# KiCad board CM4ClusterHat.kicad_pcb (continued)
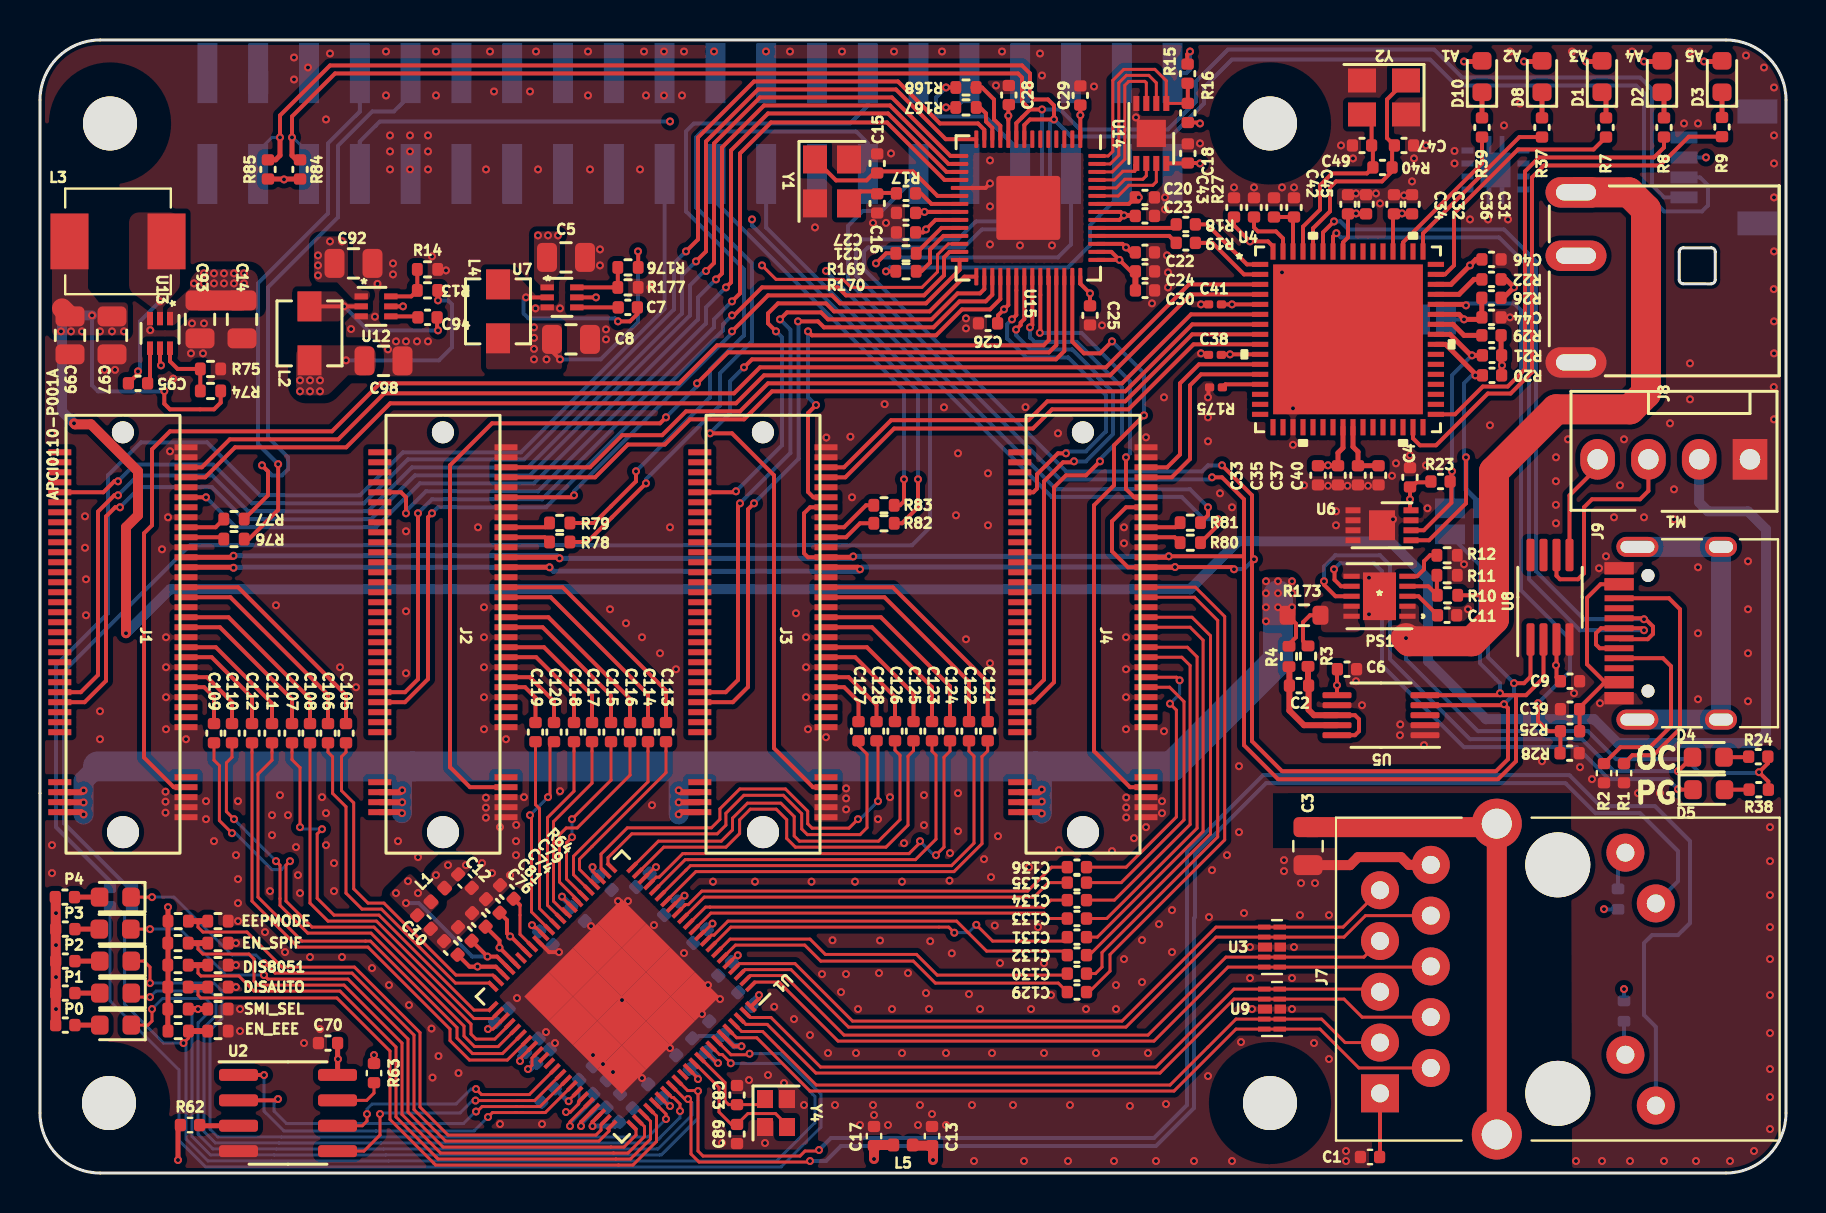
[diagram p0: board, top side]
## Routing (per net, layer and track width the routed paths; a pad name or vN(x,y) marks a point on that pad's centre or on a via; arc(x,y) is an arc through that point) (continued)
ETH2_P2-: length 5.6
  Top w0.2: C118.1 26.7,23.91 24.81,25.8 J2.43
ETH2_P3+: length 2.9
  Top w0.2: C119.1 24.77,23.78 24.26,24.3 J2.49
ETH2_P3-: length 4
  Top w0.2: J2.47 24.49,24.8 25.7,23.59 C120.1
ETH3_P0+: length 12
  Top w0.2: C121.1 47.38,24.56 42.64,29.3 J3.29
ETH3_P0-: length 10.9
  Top w0.2: J3.31 42.23,28.8 46.45,24.58 C122.1
ETH3_P1+: length 8.3
  Top w0.2: J3.37 41.6,27.3 44.6,24.3 C123.1
ETH3_P1-: length 9.4
  Top w0.2: J3.35 42.05,27.8 45.5,24.34 C124.1
ETH3_P2+: length 6.7
  Top w0.2: J3.41 41.34,26.3 43.67,23.97 C125.1
ETH3_P2-: length 5.5
  Top w0.2: J3.43 40.76,25.8 42.75,23.81 C126.1
ETH3_P3+: length 2.9
  Top w0.2: C127.1 40.92,23.58 40.21,24.3 J3.49
ETH3_P3-: length 3.9
  Top w0.2: J3.47 40.43,24.8 41.83,23.41 C128.1
ETH4_P0+: length 26.3
  Top w0.15: J4.29 57.77,29.3 59.23,27.83 59.23,16.66 53.5,10.93 53.5,10.1 52.45,9.05 C129.1
ETH4_P0-: length 24.7
  Top w0.15: C130.1 52.77,9.97 53.1,10.3 53.1,11.03 58.89,16.81 58.89,27.64 57.73,28.8 J4.31
ETH4_P1+: length 20.7
  Top w0.15: J4.37 57.51,27.3 58.15,26.65 58.15,17.09 52.86,11.8 C131.1
ETH4_P1-: length 22.3
  Top w0.15: 52.38,10.95 C132.1 52.46,10.9 58.52,16.96 58.52,26.88 57.6,27.8 J4.35
ETH4_P2+: length 18.7
  Top w0.15: J4.41 57.37,26.3 57.86,25.81 57.86,17.25 53.33,12.73 C133.1
ETH4_P2-: length 17.1
  Top w0.15: C134.1 53.72,13.65 57.51,17.44 57.51,25.38 57.09,25.8 J4.43
ETH4_P3+: length 14.3
  Top w0.15: C135.1 54.06,14.52 57.2,17.66 57.2,23.58 56.48,24.3 J4.49
ETH4_P3-: length 14.4
  Top w0.15: C136.1 54.31,15.3 56.82,17.81 56.82,23.16 v1(56.5,23.47) ; v1(56.98,24.64) 56.83,24.8 J4.47
  Bottom w0.15: v1(56.5,23.47) 56.98,23.95 v1(56.98,24.64)
ISENSE_0: length 68.6
  Top w0.2: J1.69 6.69,19.3 5.2,20.79 5.2,32 5.6,32.4 5.6,36.2 6.5,37.1 14.6,37.1 17,39.5 31.95,39.5 33.85,41.4 50.18,41.4 50.44,41.66 50.44,44.81 U15.38
ISENSE_1: length 54.6
  Top w0.2: v1(31.3,37.8) 31,37.5 22.6,37.5 20.5,35.4 20.5,20.3 21.5,19.3 J2.69 ; U15.39 50.82,41.42 50.45,41.05 34.4,41.05 v1(32.85,39.5)
  Bottom w0.2: v1(31.3,37.8) 32.85,39.35 v1(32.85,39.5)
ISENSE_2: length 45.2
  Top w0.2: U15.40 51.22,41.12 50.8,40.7 35.6,40.7 v1(35.2,40.3) ; v1(33.5,37) 34.6,37 36.7,34.9 36.7,21.25 38.65,19.3 J3.69
  Bottom w0.2: v1(35.2,40.3) 34.5,39.6 34.5,38 v1(33.5,37)
ISENSE_3: length 31.3
  Top w0.2: v1(55.2,37.9) 53.7,36.4 53.7,34.4 52.7,33.4 52.7,21.1 54.5,19.3 J4.69 ; U15.41 51.62,41.58 52.2,41 53,41 v1(53.6,41.6)
  Bottom w0.2: v1(55.2,37.9) 55.2,40 v1(53.6,41.6)
ISENSE_SYS_N: length 99.5
  Top w0.2: 62.55,26.45 R4.2 62.45,26.45 62.8,26.8 62.8,27.47 R173.1 ; U12.5 v1(18.15,43.35) ; v1(6.05,40.4) 6,40.45 U13.5 ; U7.5 v1(27.8,43.8)
  Top w0.3: J2.70 18.02,19.05 v1(18.11,19.14) ; J4.72 50.06,18.55 v1(50.09,18.58) ; v1(2.18,19.13) 2.09,19.05 J1.70 ; J3.74 32.05,18.05 v1(31.93,17.94) ; J4.74 50.02,18.05 v1(50.09,17.98) ; J1.72 2.16,18.55 v1(2.18,18.53) ; v1(2.18,17.94) 2.06,18.05 J1.74 ; J2.72 18.11,18.55 v1(18.11,18.55) ; v1(31.93,18.54) 31.95,18.55 J3.72 ; J4.70 49.96,19.05 v1(50.09,19.18) ; J2.74 18.05,18.05 v1(18.1,18) ; J3.70 32.02,19.05 v1(31.93,19.14)
  Top w1: C93.1 C14.1
  In2.Cu w0.2: v1(6.05,40.4) 6.3,40.4 6.8,40.9 6.8,42.7 7.7,43.6 v1(7.7,44.5)
  Bottom w1: v1(2.18,17.94) 2.18,19.62 2.9,20.34 ; 49.76,20.34 50.09,20.01 v1(50.09,19.18) v1(50.09,17.98) ; v1(18.1,18) 18.1,19.8 18.64,20.34 ; 31.93,20.06 v1(31.93,17.94)
  Bottom w1.5: 2.9,20.34 56.59,20.34 61.9,25.65 61.9,28.9
  vias: v1(8.2,45) v1(8.2,44.5) v1(8.7,45) v1(8.7,44.5) v1(9.2,45) v1(9.2,44.5) v1(9.7,45) v1(9.7,44.5) v1(10.2,45) v1(10.2,44.5) v1(13.9,45.9) v1(13.9,45.4) v1(13.9,44.9) v1(14.5,46.6) v1(15.1,46.6) v1(24.9,46.9) v1(25.4,46.9) v1(25.9,46.9) v1(61.3,29.6) v1(61.3,29) v1(61.3,28.3) v1(61.3,27.6) v1(61.9,29.6) v1(61.9,29) v1(61.9,28.3) v1(62.6,29.6) v1(62.6,29) v1(62.6,28.3)
ISENSE_SYS_P: length 2.3
  Top w0.2: R3.2 63.15,26.62 63.15,27.55 63.5,27.9 R173.2
LED_A1_N: length 7.4
  Top w0.2: R39.1 72.1,50.5 68.15,46.55 U4.51
LED_A2_N: length 8.9
  Top w0.2: U4.49 69.15,47 73.97,51.82 R37.1
LED_A3_N: length 12.9
  Top w0.2: U4.47 70.25,44.95 70.7,45.4 70.7,48 73.9,51.2 77.68,51.2 R7.1
LED_A4_N: length 23.3
  Top w0.2: R8.1 81.2,51.3 80.7,50.8 74.95,50.8 74.25,50.1 74.25,40.2 73.39,39.34 72.14,39.34 70.75,37.95 U4.33
LED_A5_N: length 28.3
  Top w0.2: R9.1 82.44,51.84 81,50.4 75.2,50.4 74.6,49.8 74.6,40.06 73.53,38.99 72.39,38.99 69.8,36.4 69,36.4 68.65,36.75 U4.31
MDC: length 79.7
  Bottom w0.2: J5.23 36.31,47.29 44.5,39.1 44.5,32.3 43.6,31.4 7.5,31.4 1.2,25.1 1.2,17.49 4.41,14.28 R166.1
MDIO: length 63
  Bottom w0.2: R174.1 3.5,14.6 0.8,17.3 0.8,25.4 3.4,28 3.4,34.9 5.05,36.55 8.35,36.55 11,33.9 16,33.9 18.15,36.05 24.05,36.05 31.23,43.23 J5.19
P0_LED0: length 121.3
  Top w0.15: 31.78,4.73 32.38,4.13 32.87,4.13 v1(32.9,4.1) 32.9,1.1 33.15,0.85 38,0.85 38.25,1.1 38.9,1.1 v1(38.95,1.15)
  Top w0.3: R58.2 R59.1
  Bottom w0.15: v1(32.9,4.1) 32.9,2.74 31.06,0.91 30.98,0.91 17.3,0.9 17.3,0.9 11.7,0.9 11.7,0.9 8.52,0.9 7.6,1.83 7.6,8 7.8,8.2 v1(7.9,8.2)
  Bottom w0.2: J7.L4 80.79,7.31 80.2,7.9 80.2,11.5 80.6,11.9 81.9,11.9 82.5,12.5 82.5,16.6 80.75,18.35 78.02,18.35 76.48,19.9 61.15,19.9 57.35,16.1 57.35,3.4 55.7,1.75 39.55,1.75 v1(38.95,1.15)
P0_LED1: length 111.7
  Top w0.15: D19.1 5.4,7.4 5.6,7.6 v1(5.6,8.2) ; v1(38.5,0.6) 38.45,0.55 32.95,0.55 32.55,0.95 32.55,3.55 v1(32.4,3.7) 32.24,3.7 31.49,4.45
  Bottom w0.15: v1(5.6,8.2) 6.13,8.73 8.27,8.73 8.5,8.5 8.5,8.11 7.9,7.51 7.9,1.95 8.65,1.2 11.82,1.2 11.83,1.2 17.17,1.2 17.18,1.2 30.86,1.2 30.86,1.21 30.9,1.21 32.6,2.9 32.6,3.5 v1(32.4,3.7)
  Bottom w0.2: J7.L2 81.9,14.59 81.9,16.1 80,18 77.77,18 76.27,19.5 61.3,19.5 57.75,15.95 57.75,12.8 57.7,12.75 57.7,3.26 55.79,1.35 40.05,1.35 39.3,0.6 v1(38.5,0.6) 38.5,0.7
P1_LED1: length 37.9
  Top w0.15: 31.21,4.16 31.6,3.77 31.68,3.77 32,3.45 v1(32,3.1) ; D18.1 4.77,8.8 v1(5.5,8.8)
  Bottom w0.15: v1(32,3.1) 32,2.77 31.01,1.78 30.73,1.5 17.05,1.5 17.05,1.5 11.95,1.5 11.95,1.5 8.77,1.5 8.2,2.08 8.2,7.29 8.8,7.89 8.8,8.8 8.5,9.1 5.8,9.1 v1(5.5,8.8)
P2_LED1: length 37.3
  Top w0.15: 30.65,3.6 31.3,2.95 v1(31.3,2.7) ; D17.1 5.2,10.6 5.5,10.3 v1(5.5,9.5)
  Bottom w0.15: v1(5.5,9.5) 8.7,9.5 9.1,9.1 9.1,7.72 8.5,7.12 8.5,2.2 8.89,1.8 12.07,1.8 12.08,1.8 16.92,1.8 16.93,1.8 30.4,1.8 v1(31.3,2.7)
P3_LED1: length 32.8
  Top w0.15: D16.1 v1(5.5,12.2) ; v1(11.2,9.9) 11.4,9.7 15.4,9.7 18.4,6.7 18.4,3.05 20.15,1.3 29.2,1.3 29.8,1.9 29.8,2.18 29.51,2.47
  Bottom w0.15: v1(11.2,9.9) 9.3,9.9 7,12.2 v1(5.5,12.2)
P4_LED1: length 31.7
  Top w0.15: 28.6,2.4 28.45,2.25 28.45,2.1 27.95,1.6 20.28,1.6 18.7,3.18 18.7,6.9 15.6,10 11.75,10 11.25,10.5 v1(11.2,10.5) ; D15.1 v1(5.6,13.8)
  Bottom w0.15: v1(5.6,13.8) 6.7,13.8 9.6,10.9 10.8,10.9 v1(11.2,10.5)
PICO_RST: length 24.6
  Top w0.15: U15.26 45.42,46.47 44.87,45.93 44.87,45.07 44.1,44.3 40.55,44.3 40.15,44.7 36.8,44.7 v1(36.1,45.4)
  In2.Cu w0.2: v1(33.7,56.1) 33.9,55.9 33.9,47.5 36,45.4 v1(36.1,45.4)
  Bottom w0.15: J5.22 33.77,56.03 v1(33.7,56.1)
RST1: length 62.1
  Top w0.2: J1.10 3.16,34.05 3.72,34.6 v1(3.9,34.6) ; U15.13 47.22,52.18 46.9,52.5 45,52.5 42.9,54.6 35.7,54.6 32.9,51.8 32.9,46.7 v1(32.3,46.1)
  Bottom w0.2: v1(32.3,46.1) 31.7,45.5 31.7,43.2 24.2,35.7 18.4,35.7 16.2,33.5 10.6,33.5 8.66,35.44 4.73,35.44 v1(3.9,34.6)
RST2: length 43.8
  Top w0.2: 45.98,50.08 45.33,50.08 42.4,53 36.4,53 34.55,51.15 34.55,44.55 v1(34.3,44.3) ; J2.10 18.05,34.05 18.3,33.8 v1(18.3,33)
  Bottom w0.2: v1(18.3,33) 18.3,33.1 19.3,34.1 24.9,34.1 33.3,42.5 33.3,43.3 v1(34.3,44.3)
RST3: length 23.5
  Top w0.2: J3.10 34.75,34.05 v1(34.8,34.1) ; v1(36.8,42.1) 36.4,42.5 36.4,43 36.9,43.5 39.3,43.5 39.7,43.1 44.49,43.1 46.22,44.84 U15.29
  Bottom w0.2: v1(34.8,34.1) 37.1,36.4 37.1,41.8 v1(36.8,42.1)
RST4: length 17.2
  Top w0.2: v1(51.3,36) 50.9,36 49.85,34.95 49.85,34.23 49.67,34.05 J4.10 ; U15.34 48.82,42.92 v1(48.6,42.7)
  Bottom w0.2: v1(51.3,36) 51.4,36.1 52.3,36.1 53.3,37.1 53.3,38.9 51.4,40.8 49.3,40.8 48.35,41.75 48.35,42.45 v1(48.6,42.7)
RUN1: length 69.3
  Top w0.2: v1(4,33.3) 3.76,33.3 3.3,32.84 3.3,24.62 2.23,23.55 J1.52 ; v1(33.3,45.12) 33.7,45.52 33.7,51.5 36,53.8 42.59,53.8 45.52,50.88 45.98,50.88
  Bottom w0.2: v1(33.3,45.12) 33.22,45.12 32.5,44.4 32.5,42.9 24.5,34.9 18.75,34.9 16.55,32.7 10.2,32.7 8.59,34.31 5.01,34.31 v1(4,33.3)
RUN2: length 44.1
  Top w0.2: v1(34.6,42.9) 34.7,42.9 36.1,44.3 39.9,44.3 40.3,43.9 44.2,43.9 45.2,44.9 45.2,45.8 45.48,46.08 45.98,46.08 ; v1(19.6,33) 19.4,32.8 19.4,24.71 18.24,23.55 J2.52
  Bottom w0.2: v1(34.6,42.9) 34.15,42.45 34.15,42.15 25.3,33.3 19.9,33.3 v1(19.6,33)
RUN3: length 33.5
  Top w0.2: v1(35.7,33.5) 35.4,33.2 35.4,24.31 34.64,23.55 J3.52 ; v1(37.9,42.6) 38.9,42.6 39.2,42.3 44.67,42.3 45.98,43.6 47.28,43.6 47.62,43.93 U15.31
  Bottom w0.2: v1(35.7,33.5) 37.93,35.73 37.93,42.57 v1(37.9,42.6)
RUN4: length 27.6
  Top w0.2: v1(53,35.6) 52.3,34.9 51.3,34.9 50.7,34.3 50.7,24.55 49.7,23.55 J4.52 ; v1(49.5,42.3) 49.62,42.42 U15.36
  Bottom w0.2: v1(49.5,42.3) 49.5,41.8 49.73,41.57 51.83,41.57 54.1,39.3 54.1,36.8 53,35.7 v1(53,35.6)
SCL_RPI: length 237.8
  Top w0.2: J3.13 38.5,33.3 38.2,33 38.2,31 38.4,30.8 J3.23 ; 60.2,30.9 60.2,33.7 59.1,34.8 v1(58.6,34.8) ; 60.2,30.9 60.2,21.4 61.9,19.7 72.9,19.7 73.8,20.6 73.8,23.9 ; 60.2,30.9 60.15,30.85 v1(56.44,30.85) ; U5.5 73.8,23.9 ; 73.8,23.9 74.3,23.9 75.17,24.77 U8.2 ; 49.5,53.2 48.82,52.52 U15.9 ; 49.5,53.2 v1(50.1,53.2) ; 49.5,53.2 49.1,53.6 49.1,54.8 48.9,55 14.75,55 12.6,52.85 v1(12.6,51.8)
  Top w0.25: J3.23 40.62,30.8 v1(40.66,30.84) ; R84.2 12.82,50.68 12.6,50.9 v1(12.6,51.8) ; v1(25.98,30.75) 25.92,30.8 J2.23 ; v1(9.67,30.88) 9.6,30.8 J1.23 ; v1(56.44,30.85) 56.39,30.8 J4.23
  Bottom w0.15: J5.5 13.45,51 12.65,51.8 v1(12.6,51.8)
  Bottom w0.2: JP1.2 70.5,31.9 72,30.4 72,25.5 73,24.5 v1(73,24) ; v1(58.6,34.8) 58.5,34.7 51,34.7 40.8,44.9 40.8,46.4 41.1,46.7 45.9,46.7 46.8,47.6 49.7,47.6 50.1,48 v1(50.1,53.2) 51,53.2 52,52.2 56.4,52.2 57.8,53.6 57.8,54.6 59.4,56.2 69.7,56.2 71.1,54.8 80,54.8 80.6,54.2 80.6,49.4 81.2,48.8 J6.4
  Bottom w0.25: v1(56.44,30.85) 40.67,30.85 v1(40.66,30.84) 40.57,30.75 v1(25.98,30.75) 25.85,30.88 v1(9.67,30.88)
SDA_RPI: length 242.9
  Top w0.2: J4.25 54.4,30.3 53.6,31.1 53.6,32.6 54.3,33.3 J4.13 ; U5.4 73.15,23.4 v1(73.2,23.45) 73.4,23.25 73.4,20.7 72.8,20.1 62.1,20.1 60.6,21.6 60.6,33.9 v1(59.1,35.4) ; U15.8 49.22,52.42 49.49,52.7 v1(50.7,52.7) 50.7,53.4 50.4,53.7 49.7,53.7 49.5,53.9 49.5,55 49.1,55.4 14.5,55.4 12,52.9 v1(12,51.8) ; v1(56.75,30.31) 59.59,30.31 v1(59.7,30.2) ; v1(73.7,24.5) 74.2,24.5 74.52,24.83 U8.1
  Top w0.25: J1.25 9.65,30.3 v1(9.67,30.27) ; R85.2 11.78,50.68 12,50.9 v1(12,51.8) ; J3.25 40.9,30.3 v1(41,30.2) ; J4.25 56.74,30.3 v1(56.75,30.31) ; J2.25 v1(25.48,30.3)
  Bottom w0.15: J5.3 10.91,51.11 11.6,51.8 v1(12,51.8)
  Bottom w0.2: v1(59.1,35.4) 58.4,35.4 58.1,35.1 51.3,35.1 41.2,45.2 41.2,46.1 41.4,46.3 46.2,46.3 47.1,47.2 50,47.2 50.5,47.7 50.5,52.5 v1(50.7,52.7) 51.55,51.85 56.55,51.85 58.2,53.5 58.2,54.3 59.6,55.7 69.5,55.7 70.8,54.4 79.8,54.4 80.2,54 80.2,49.1 81.2,48.1 83.1,48.1 83.4,48.4 83.4,49.4 83,49.8 J6.3 ; v1(73.2,23.45) 73.7,23.95 v1(73.7,24.5) 72.4,25.8 JP2.2 ; v1(60.7,30.7) 60.2,30.2 v1(59.7,30.2)
  Bottom w0.25: v1(56.75,30.31) 41.11,30.31 v1(41,30.2) 40.9,30.1 25.67,30.1 v1(25.48,30.3) 9.7,30.3 v1(9.67,30.27)
SDA_USBHUB: length 16.4
  Top w0.2: v1(71.3,35.8) 71.3,33.5 69.45,31.65 U6.5
  Top w0.25: R20.2 v1(71.77,39.9) 71.77,39.97 70.28,41.45 U4.40
  Bottom w0.2: v1(71.77,39.9) 71.6,39.9 71.2,39.5 71.2,35.9 v1(71.3,35.8)
  Bottom w0.25: JP2.1 72.25,33.25 71.3,34.2 v1(71.3,35.8)
SPI_CS: length 20.1
  Top w0.15: v1(22.4,2.8) 22.62,3.02 25.27,3.02 26.69,4.45 26.57,4.33
  Top w0.2: U2.1 11.19,4.91 v1(11.2,4.9)
  Bottom w0.15: v1(11.2,4.9) 11.2,3.1 12.2,2.1 16.8,2.1 16.81,2.11 21.71,2.11 v1(22.4,2.8)
SPI_D0: length 13.5
  Top w0.15: 26.12,5.01 24.73,3.62 23.9,3.62 v1(21.77,3.62) ; 14.88,1.09 16.19,1.09 17,1.9 v1(17,2.95)
  Bottom w0.15: v1(17,2.95) 17.05,3 21,3 21.62,3.62 v1(21.77,3.62)
SPI_D1: length 18.6
  Top w0.15: 26.4,4.73 25,3.32 22.1,3.32 21.85,3.08 v1(21.8,3.08)
  Top w0.2: v1(11.9,3.7) 11.83,3.63 U2.2
  Bottom w0.15: v1(21.8,3.08) 21.78,3.08 21.17,2.47 12.33,2.47 11.7,3.1 11.7,3.5 v1(11.9,3.7)
SPI_SCK: length 12.6
  Top w0.15: U1.56 24.47,3.92 22.08,3.92 v1(21.8,4.2) ; 14.88,2.36 16.11,2.36 16.35,2.6 v1(16.35,2.95)
  Bottom w0.15: v1(21.8,4.2) 21.55,4.2 20.8,3.45 16.6,3.45 16.35,3.2 v1(16.35,2.95)
SWCLK: length 2.7
  Top w0.2: 43.81,46.01 45.08,47.27 U15.24
SWD: length 3
  Top w0.2: 45.98,46.88 45.17,46.88 44.5,46.2 44.5,45.54 44.07,45.11
UART_RX1: length 1.9
  Top w0.2: R76.2 9.1,31.8 J1.19
UART_RX2: length 2.3
  Top w0.2: R78.1 25.24,31.8 J2.19
UART_RX3: length 2.7
  Top w0.2: J3.19 40.3,31.8 41,32.5 R82.1
UART_RX4: length 1.8
  Top w0.2: R80.1 56.73,31.8 J4.19
UART_RX5: length 2
  Top w0.2: U15.12 47.62,52.28 47.3,52.59 47.3,53 47,53.3 46.8,53.3
UART_TX1: length 2.1
  Top w0.2: R77.2 8.78,32.3 J1.17
UART_TX2: length 2.3
  Top w0.2: J2.17 25.26,32.3 R79.1
UART_TX3: length 2.8
  Top w0.2: R83.1 41.3,33.4 40.2,32.3 J3.17
UART_TX4: length 1.8
  Top w0.2: R81.1 56.77,32.3 J4.17
UART_TX5: length 3.5
  Top w0.2: U15.11 48.02,52.38 47.7,52.7 47.7,53.7 47.1,54.3 46.61,54.3
USB1_DN: length 57.5
  Top w0.2: U4.4 57.55,43.95 53.5,39.9 36.2,39.9 34.8,38.5 17.51,38.5 15.31,36.3 9.75,36.3 8.25,34.8 J1.7
USB1_DP: length 57.5
  Top w0.2: J1.5 8.09,35.3 9.49,36.7 14.91,36.7 17.22,39 34.7,39 36,40.3 53.3,40.3 57.45,44.45 U4.3
USB2_DN: length 40.9
  Top w0.2: J2.7 27.76,34.8 29.39,36.44 31.24,36.44 32.5,37.7 35.2,37.7 36.6,39.1 54.27,39.1 57.62,42.45 U4.7
USB2_DP: length 40.9
  Top w0.2: J2.5 27.5,35.3 29.11,36.91 31.11,36.91 32.3,38.1 35,38.1 36.4,39.5 54.1,39.5 57.55,42.95 U4.6
USB3_DN: length 24.5
  Top w0.2: U4.9 57.68,41.45 54.43,38.2 50.6,38.2 49.64,37.24 42.71,37.24 40.27,34.8 J3.7
USB3_DP: length 24.5
  Top w0.2: J3.5 40.2,35.3 42.55,37.66 49.42,37.66 50.37,38.6 54.26,38.6 57.61,41.95 U4.8
USB4_DN: length 10
  Top w0.2: J4.7 56.58,34.8 57.5,35.72 57.5,39.4 58.05,39.95 U4.12
USB4_DP: length 9.9
  Top w0.2: U4.11 57.95,40.45 57,39.5 57,35.94 56.36,35.3 J4.5
USB_D+: length 38.6
  Top w0.2: J9.B6 80.15,27.75 v1(80.2,27.7) 80.29,27.7 80.65,27.34 80.65,26.96 80.39,26.7 79,26.7 J9.A6 ; U4.59 64.15,47.05 v1(64.7,47.6)
  Bottom w0.2: v1(80.2,27.7) 77.2,27.7 74.8,30.1 74.8,45.6 73.2,47.2 65.42,47.2 65.02,47.6 v1(64.7,47.6)
USB_D-: length 38.1
  Top w0.2: v1(80.2,27.15) 80.1,27.25 J9.A7 78.05,27.25 77.8,27 77.8,26.44 77.99,26.25 J9.B7 ; v1(64.82,47.01) 64.65,46.84 U4.58
  Bottom w0.2: v1(64.82,47.01) 65.03,46.8 72.95,46.8 74.45,45.3 74.45,29.7 77,27.15 v1(80.2,27.15)
USBHUB_RESET: length 4.2
  Top w0.25: R26.2 72.09,42.8 ; 71.99,42.7 v1(71.2,42.7) 70.95,42.95 U4.43
  Bottom w0.2: v1(71.2,42.7) JP3.1
USBpico_DN: length 3.9
  Top w0.2: R19.1 58.62,46.52 60.2,44.95 U4.2
USBpico_DP: length 4.1
  Top w0.2: U4.1 60.35,45.45 58.35,47.45 R18.1
~{USB_BOOT}: length 2.5
  Top w0.2: 57.36,55.46 57.36,55.96 v1(57.5,56.1)
  Bottom w0.2: J5.40 57.31,55.01 57.5,55.2 v1(57.5,56.1)
Net-(C1-Pad2): length 3.2
  Top w0.2: J7.R1 67,0.82
Net-(C2-Pad1): length 4.9
  Top w0.3: R4.1 62.47,25.31 C2.1 62.47,23.13 63.2,22.4 U5.9
Net-(C2-Pad2): length 6.7
  Top w0.2: U5.10 65.75,21.9 65.95,22.1 65.95,22.7 65.75,22.9 U5.8
  Top w0.3: U5.8 63.7,22.9 63.43,23.17 C2.2 63.4,24.41 R3.1
Net-(C3-Pad2): length 25.1
  Top w1: J7.SH J7.SH 72.67,17.3 C3.2
Net-(C7-Pad1): length 2.1
  Top w0.2: U7.4 C7.1
Net-(C7-Pad2): length 8.3
  Top w0.2: v1(28.9,42.6) 29.5,42.6 29.87,42.97 C7.2 ; v1(24.3,43.8) U7.2
  Bottom w0.2: v1(28.9,42.6) 28.75,42.75 24.42,42.75 24.17,43 24.17,43.67 v1(24.3,43.8)
Net-(C11-Pad1): length 1.9
  Top w0.2: C11.1 68.92,28.85 PS1.3
Net-(C15-Pad1): length 8.3
  Top w0.2: 41.8,50.08 41.77,50.1 41.7,50.1 ; 38.75,50.71 39.81,49.65 41.33,49.65 41.67,50 ; 41.8,50 41.9,50.1 43.65,50.1 44.87,48.88 45.98,48.88
Net-(C16-Pad1): length 2.7
  Top w0.2: 41.87,48.95 41.95,49.02 42.8,49.02 42.83,49 ; 41.74,49.1 41.04,49.1 40.45,48.51 ; 41.9,49 41.8,49.1
Net-(C20-Pad1): length 19.8
  Top w0.2: 54.55,46.05 54.12,46.47 U15.45 ; C20.1 54.44,48.47 U15.50 ; U15.23 44.77,47.67 v1(44.3,47.2) 44.15,47.05 44.04,47.05
  In2.Cu w0.5: v1(54.3,46.3) 53.2,46.3 52.3,47.2 ; 52.3,47.2 v1(44.3,47.2) ; 52.3,47.2 53.9,48.8 v1(54.94,48.8)
Net-(C37-Pad2): length 3.1
  Top w0.25: U4.25 65.65,36.33 65.9,36.08 C37.2 C40.2
Net-(C42-Pad2): length 2.7
  Top w0.2: U4.62 62.65,47.77 C45.2 C42.2
Net-(C83-Pad2): length 5
  Top w0.15: 32.92,5.86 34.25,4.52 34.25,3.6 34.43,3.42 C83.2 35.97,3.42 Y4.1
Net-(C89-Pad2): length 7.3
  Top w0.15: Y4.3 37.35,2.4 36.78,2.97 35.39,2.97 C89.2 34.57,2.43 33.95,3.05 33.95,4.28 32.65,5.58
Net-(C94-Pad1): length 1.4
  Top w0.2: U12.4 18.84,42.85 18.89,42.8
Net-(C94-Pad2): length 8.5
  Top w0.2: U12.2 L2.1 ; v1(19.9,42.15) 19.86,42.19 19.86,42.8
  Bottom w0.2: v1(15.2,43.35) 16.4,42.15 v1(19.9,42.15)
Net-(C95-Pad1): length 1.7
  Top w0.2: U13.4 5.5,39.72 5.38,39.6
Net-(C95-Pad2): length 4.7
  Top w0.2: 4.42,39.6 4.52,39.6 4.9,39.98 v1(4.9,40.1)
  Bottom w0.2: v1(6,43.6) 5,42.6 5,40.2 v1(4.9,40.1)
Net-(C105-Pad2): length 16.8
  Top w0.15: U1.43 22.65,9.9 20.8,9.9 17.2,13.5 16.4,13.5 15.69,14.22 15.69,18.52 15.08,19.12 15.08,20.83 15.3,21.05 C105.2
Net-(C106-Pad2): length 17.2
  Top w0.15: C106.2 14.4,21.05 14.63,20.82 14.63,18.99 15.3,18.32 15.3,14 16.1,13.2 17.07,13.2 20.77,9.5 22.48,9.5 U1.44
Net-(C107-Pad2): length 20.4
  Top w0.15: C107.2 12.6,20.68 13,20.28 v1(13,17.3) ; v1(14.1,17.2) 13.86,16.96 13.86,13.74 14.7,12.9 16.95,12.9 21.7,8.15 22.45,8.15 22.71,8.41
  Bottom w0.15: v1(14.1,17.2) 13.1,17.2 v1(13,17.3)
Net-(C108-Pad2): length 20.1
  Top w0.15: 23.01,8.12 22.61,7.72 21.7,7.72 16.82,12.6 14.4,12.6 13.5,13.5 C108.2
Net-(C109-Pad2): length 25.5
  Top w0.15: v1(9.6,17) 8.97,17.63 8.97,20.38 8.7,20.65 C109.2 ; U1.48 23.49,7.45 22.74,6.7 21.8,6.7 21.55,6.95 21.55,7.45 16.7,12.3 13.6,12.3 12.3,13.6 12.3,15.4 v1(12.5,15.6)
  Bottom w0.15: v1(12.5,15.6) 12.07,15.17 11.6,15.17 9.77,17 v1(9.6,17)
Net-(C110-Pad2): length 24.8
  Top w0.15: v1(11.8,15.6) 12,15.4 12,13.39 13.39,12 16.55,12 21.2,7.35 21.2,6.85 21.73,6.33 22.91,6.33 23.86,7.27 ; v1(9.7,17.7) 9.32,18.08 9.32,20.52 9.6,20.8 C110.2
  Bottom w0.15: v1(11.8,15.6) v1(9.7,17.7)
Net-(C111-Pad2): length 25.2
  Top w0.15: 24.14,6.99 23.12,5.97 21.62,5.97 20.85,6.75 20.85,7.27 16.52,11.6 16.28,11.6 13.1,11.6 10.9,13.8 10.9,19.95 11.6,20.65 C111.2
Net-(C112-Pad2): length 25.7
  Top w0.15: C112.2 10.6,13.6 12.9,11.3 16.4,11.3 20.5,7.2 20.5,6.62 21.48,5.65 23.36,5.65 24.31,6.6
Net-(C113-Pad2): length 9.2
  Top w0.15: 31.3,21.58 31.3,20.03 27.6,16.33 27.6,16.33 26.98,15.7 26.98,15.19 U1.26
Net-(C114-Pad2): length 9.4
  Top w0.15: 27.53,14.06 26.67,14.92 26.67,15.84 30.4,19.57 30.4,21.58
Net-(C115-Pad2): length 9.1
  Top w0.15: 28.55,21.58 28.55,19.65 v1(26.6,17.7) ; 27.25,13.78 26.33,14.71 26.33,16.52 v1(26.6,16.8)
  Bottom w0.15: v1(26.6,16.8) v1(26.6,17.7)
Net-(C116-Pad2): length 10.2
  Top w0.15: 26.97,13.56 25.98,14.55 25.98,16.92 26.31,17.26 26.86,17.26 29.5,19.9 29.5,21.58
Net-(C117-Pad2): length 9.7
  Top w0.15: 27.6,21.58 27.6,19.5 25.67,17.58 25.67,13.6 26.34,12.93
Net-(C118-Pad2): length 9.8
  Top w0.15: 26.7,21.58 26.7,19.1 25.37,17.77 25.37,13.39 26.12,12.65
Net-(C119-Pad2): length 9.6
  Top w0.15: 25.84,12.37 24.98,13.23 24.98,18.22 24.77,18.42 24.77,21.58
Net-(C120-Pad2): length 10.3
  Top w0.15: v1(24.5,17.9) 24.58,17.83 24.58,13.06 U1.34 ; 25.7,21.58 25.5,21.38 25.5,18.9 v1(25.4,18.8)
  Bottom w0.15: v1(25.4,18.8) v1(24.5,17.9)
Net-(C121-Pad2): length 22.4
  Top w0.15: 31.21,13.5 32.79,15.08 45.7,15.08 47.1,16.47 47.1,20.83 47.38,21.12 C121.2
Net-(C122-Pad2): length 22.1
  Top w0.15: C122.2 46.45,21.1 46.7,20.85 46.7,16.5 45.58,15.38 32.53,15.38 32.3,15.15 30.93,13.78
Net-(C123-Pad2): length 20.2
  Top w0.15: C123.2 44.6,21.1 44.8,20.9 44.8,16.7 43.78,15.68 32.26,15.67 30.65,14.06
Net-(C124-Pad2): length 21.7
  Top w0.15: 30.36,14.35 30.82,14.8 30.96,14.8 32.13,15.98 32.28,15.98 43.45,15.98 44.02,16.55 ; v1(44.8,15.9) 45.2,16.3 45.2,20.8 45.5,21.1 C124.2
  Bottom w0.15: v1(44.8,15.9) 44.7,15.9 v1(44,16.6)
Net-(C125-Pad2): length 21.5
  Top w0.15: C125.2 43.67,21.12 43.4,20.85 43.4,17.4 42.3,16.3 37.77,16.3 37.33,16.73 37.33,17.67 36.81,18.2 35.52,18.2 34.98,17.66 34.98,16.98 34.3,16.3 31.19,16.3 29.8,14.91
Net-(C126-Pad2): length 21
  Top w0.15: C126.2 42.75,21.15 43,20.9 43,17.67 41.93,16.6 37.97,16.6 37.71,16.86 37.71,17.83 37.04,18.5 35.38,18.5 34.62,17.75 34.62,17.16 34.06,16.6 30.92,16.6 29.51,15.19
Net-(C127-Pad2): length 21.2
  Top w0.15: C127.2 40.92,21.38 41.35,20.95 41.35,17.27 41,16.92 38.37,16.92 38.08,17.21 38.08,17.97 37.17,18.89 35.2,18.89 34.3,17.99 34.3,17.4 33.86,16.97 29.59,16.97 28.4,15.78 28.4,15.46 28.67,15.19
Net-(C128-Pad2): length 21.3
  Top w0.15: v1(41.9,18.6) 41.9,21.55 C128.2 ; v1(40.9,17.7) 40.45,17.25 38.61,17.25 38.39,17.47 38.39,18.1 37.27,19.21 34.99,19.21 33.99,18.21 33.99,17.69 33.57,17.27 29.37,17.27 28.05,15.95 28.05,15.24 U1.24
  Bottom w0.15: v1(40.9,17.7) 41,17.7 v1(41.9,18.6)
Net-(C129-Pad2): length 18.6
  Top w0.15: C129.2 50.92,9.5 44.77,9.5 43.67,10.6 39.04,10.6 38.24,11.4 34.77,11.4 34.04,10.67
Net-(C130-Pad2): length 18.7
  Top w0.15: 33.76,10.95 34.51,11.7 38.5,11.7 39.27,10.94 43.83,10.94 44.86,9.9 51.29,9.9 C130.2
Net-(C131-Pad2): length 19
  Top w0.15: 33.47,11.23 34.54,12.3 45.43,12.3 v1(45.71,12.02) ; C131.2 51.17,11.6 47.63,11.6 v1(46.81,12.41)
  Bottom w0.15: v1(45.71,12.02) 46.42,12.02 v1(46.81,12.41)
Net-(C132-Pad2): length 19.3
  Top w0.15: 33.19,11.52 33.57,11.9 33.7,11.9 34.4,12.6 45.83,12.6 47.33,11.1 51.17,11.1 C132.2
Net-(C133-Pad2): length 19.2
  Top w0.15: C133.2 50.48,12.73 50.21,13 33.54,13 32.63,12.08
Net-(C134-Pad2): length 19.6
  Top w0.15: 32.34,12.37 33.28,13.3 33.5,13.3 50.2,13.3 50.55,13.65 C134.2
Net-(C135-Pad2): length 20.1
  Top w0.15: C135.2 50.42,14.52 49.7,13.8 33.21,13.8 32.06,12.65
Net-(C136-Pad2): length 20.5
  Top w0.15: 32.22,13.38 32.27,13.42 ; 32.22,13.38 U1.14 ; 32.22,13.38 32.27,13.42 ; 32.27,13.42 32.41,13.42 33.09,14.1 49.39,14.1 50.58,15.3 C136.2
Net-(D1-Pad1): length 1.3
  Top w0.25: 78.3,54.04 R7.2
Net-(D2-Pad1): length 1.3
  Top w0.25: 81.2,54.09 R8.2
Net-(D3-Pad1): length 1.3
  Top w0.25: D3.1 R9.2
Net-(D4-Pad1): length 28.7
  Top w0.2: PS1.8 64.77,28.85 64.2,29.42 v1(64.2,29.6) ; 82.62,20.8 82.6,20.8 v1(81.9,20.1)
  Bottom w0.2: v1(64.2,29.6) 64.2,30.34 64.76,30.9 67,30.9 67.5,30.4 67.5,25.7 71.5,21.7 77.1,21.7 78.7,20.1 v1(81.9,20.1)
Net-(D4-Pad2): length 1.2
  Top w0.2: R24.1 85.41,20.8 D4.2
Net-(D5-Pad1): length 27
  Top w0.2: v1(64.7,30.2) 64.73,30.17 64.73,29.68 65.05,29.35 PS1.7 ; v1(81.9,19.2) 81.92,19.17 D5.1
  Bottom w0.2: v1(64.7,30.2) 65,30.5 66.7,30.5 67.1,30.1 67.1,25.4 71.2,21.3 76.85,21.3 78.45,19.7 81.4,19.7 v1(81.9,19.2)
Net-(D5-Pad2): length 1.2
  Top w0.2: D5.2 R38.1
Net-(D8-Pad1): length 1.3
  Top w0.25: R37.2 75.1,54.04
Net-(D10-Pad1): length 1.3
  Top w0.25: D10.1 R39.2
Net-(D16-Pad2): length 1.2
  Top w0.25: D16.2 1.74,12.2
Net-(D17-Pad2): length 1.2
  Top w0.25: D17.2 1.74,10.6
Net-(D18-Pad2): length 1.2
  Top w0.25: D18.2 1.74,9
Net-(D19-Pad2): length 1.2
  Top w0.25: D19.2 1.74,7.4
Net-(IC1-Pad1): length 59.6
  Top w0.2: R38.2 86.42,19.58 v1(85.95,20.05) 86.39,20.49 R24.2 ; R10.1 72.5,28.9 72.7,29.1
  Top w1.5: J8.1 79.45,49.05 80.3,48.2 80.3,39 79.5,38.2 75.8,38.2 72.7,35.1 72.7,27.7 71.6,26.6 68.46,26.6 v1(68.3,26.76)
  Bottom w0.2: v1(85.95,20.05) 85.9,20 82.99,20 82.3,20.7 78.8,20.7 77.4,22.1 71.9,22.1 68.3,25.7 v1(68.3,26.76)
Net-(J5-Pad7): length 57.1
  Top w0.2: R80.2 58.9,32.41 v1(58.9,32.7)
  In2.Cu w0.2: v1(31.5,52.6) 33.4,50.7 33.4,47.18 35.78,44.8 38.98,44.8 v1(39.3,45.12)
  Bottom w0.2: J5.7 15.99,51.59 17,52.6 v1(31.5,52.6) ; v1(39.3,45.12) 39.3,45.1 50.58,33.82 57.08,33.82 58.2,32.7 v1(58.9,32.7)
Net-(J5-Pad8): length 26.7
  Top w0.2: v1(11.91,35.46) 11.91,33.17 10.45,31.71 R76.1
  Bottom w0.2: J5.8 15.99,53.09 14.4,51.5 14.4,48 10.9,44.5 10.9,36.46 v1(11.91,35.46)
Net-(J5-Pad10): length 28.8
  Top w0.2: v1(11.1,35.4) 11.4,35.1 11.4,33.9 R77.1
  Bottom w0.2: v1(11.1,35.4) 11.6,34.9 12.1,34.9 12.4,35.2 12.4,35.8 11.4,36.8 11.4,44.3 14.9,47.8 14.9,51.38 16.62,53.1 17.7,53.1 18.53,53.93 J5.10
Net-(J5-Pad21): length 20.9
  Top w0.2: v1(43.2,34.7) 43.2,33.6 43,33.4 R83.2
  Bottom w0.2: J5.21 33.77,48.58 43.2,39.15 v1(43.2,34.7)
Net-(J5-Pad24): length 30.5
  Top w0.2: R82.2 43.1,32.5 43.9,33.3 v1(43.9,34.7)
  In2.Cu w0.2: v1(35.6,47.7) 34.4,48.9 34.4,54.8 35.7,56.1 v1(36.3,56.1)
  Bottom w0.2: v1(35.6,47.7) 35.6,47.4 43.9,39.1 v1(43.9,34.7) ; v1(36.3,56.1) 36.3,55.02 J5.24
Net-(J5-Pad27): length 36.2
  Top w0.2: R78.2 27.36,31.56 v1(30.3,34.5)
  Bottom w0.2: J5.27 41.39,51.51 40.8,52.1 33.1,52.1 32.8,51.8 32.8,48.3 35.6,45.5 35.6,41.6 34,40 34,38.4 30.3,34.7 v1(30.3,34.5)
Net-(J5-Pad28): length 36.4
  Top w0.2: v1(29.8,35.1) 29.8,34.6 27.71,32.52 R79.2
  Bottom w0.2: J5.28 41.39,53.39 40.5,52.5 32.7,52.5 32.3,52.1 32.3,48.1 35.2,45.2 35.2,41.9 33.5,40.2 33.5,38.8 v1(29.8,35.1)
Net-(J5-Pad29): length 31
  Top w0.2: R81.2 58.4,32.91 v1(58.4,33.3)
  Bottom w0.2: v1(58.4,33.3) 57.5,34.2 50.8,34.2 40.4,44.6 40.4,47.38 41.15,48.12 42.08,48.12 J5.29
Net-(J5-Pad32): length 3
  Top w0.2: R167.2 v1(45.3,53.3)
  Bottom w0.2: J5.32 46.47,53.97 45.8,53.3 v1(45.3,53.3)
Net-(J5-Pad33): length 8.1
  Top w0.2: R168.2 v1(45.3,54.3)
  Bottom w0.2: J5.33 49.01,51.09 47.25,52.85 44.95,52.85 44.8,53 44.8,53.8 v1(45.3,54.3)
Net-(J5-Pad35): length 14.9
  Top w0.2: v1(41.8,45.5) 42.31,46.01 R169.1
  Bottom w0.2: J5.35 51.55,46.45 50.9,45.8 42.1,45.8 v1(41.8,45.5)
Net-(J5-Pad37): length 15.5
  Top w0.2: R170.1 42.31,45.11 v1(42.3,45.1)
  Bottom w0.2: v1(42.3,45.1) 42.5,45.3 51.4,45.3 52.5,46.4 52.5,47.4 54.09,48.99 J5.37
Net-(J7-PadL1): length 2
  Bottom w0.2: J7.L1 78.9,15.66 R5.1
Net-(J7-PadL3): length 1.7
  Bottom w0.2: R6.1 79.2,5.98 J7.L3
Net-(J7-PadR2): length 38.6
  Top w0.15: J7.R2 65.95,5.25 64,7.2 U9.5 59.8,7.2 56.7,4.1 38.5,4.1 36.6,6 35.84,6.77 34.83,6.77 34.32,7.27
Net-(J7-PadR3): length 35.6
  Top w0.15: 67,6.52 65.26,6.52 64.08,7.7 U9.4 59.8,7.7 56.5,4.4 38.81,4.4 36.91,6.3 36.13,7.08 35.08,7.08 34.61,7.56
Net-(J7-PadR4): length 37.7
  Top w0.15: 37.09,6.7 38.79,5 56,5 59.7,8.7 65.2,8.7 66.11,7.8 J7.R4 ; 37.09,6.7 36.36,7.44 35.29,7.44 34.89,7.84
Net-(J7-PadR5): length 34.7
  Top w0.15: J7.R5 66.86,9.2 59.7,9.2 55.8,5.3 39.03,5.3 36.55,7.78 35.51,7.78 35.17,8.12
Net-(J7-PadR6): length 37
  Top w0.15: J7.R6 69.51,10.3 59.4,10.3 55.7,6.6 39.9,6.6 36.95,9.55 35.75,9.55 35.45,9.25
Net-(J7-PadR7): length 35.2
  Top w0.15: J7.R7 66.2,10.8 59.3,10.8 55.4,6.9 40.2,6.9 37.23,9.87 35.51,9.87 35.17,9.54
Net-(J7-PadR8): length 38.1
  Top w0.15: 35,9.93 35.01,9.93 35.25,10.17 37.55,10.17 40.42,7.3 54.3,7.3 58.8,11.8 65.2,11.8 66.27,12.88 J7.R8
Net-(J7-PadR9): length 36.5
  Top w0.15: J7.R9 65.15,12.3 58.8,12.3 54.1,7.6 40.62,7.6 37.75,10.47 34.98,10.47 34.61,10.1
Net-(J9-PadA5): length 9.9
  Top w0.2: J9.A5 81.15,25.75 81.55,25.35 81.55,22.35 80.5,21.3 79.02,21.3 R2.2
Net-(J9-PadB5): length 12.8
  Top w0.2: R1.2 79.62,20.9 80.67,20.9 82,22.22 82,28.2 81.45,28.75 J9.B5
Net-(M1-Pad3): length 10.6
  Top w0.2: U8.6 75.83,29.88 76,29.7 76.9,29.7 77.2,30 77.2,33.3 77.6,33.7 80,33.7 80.42,34.12 80.42,35.3
Net-(M1-Pad4): length 5
  Top w0.2: 76.48,30.91 76.48,33.89 77.88,35.3
Net-(PS1-Pad4): length 2.7
  Top w0.2: PS1.4 69.41,29.35 R10.2 69.84,28.92 R11.1
Net-(PS1-Pad5): length 2.1
  Top w0.2: R12.1 69.5,30.9 69.2,30.6 69.2,30.2 68.85,29.85 PS1.5
Net-(R13-Pad2): length 2.5
  Top w0.2: R14.1 R13.2 18.57,43.85 U12.6
Net-(R17-Pad1): length 2.2
  Top w0.2: U15.21 44.57,48.47 44.04,49.01
Net-(R18-Pad2): length 4
  Top w0.2: U15.47 56.64,47.27 R18.2
Net-(R19-Pad2): length 4.1
  Top w0.2: R19.2 56.46,46.88 52.85,46.88
Net-(R22-Pad2): length 2.6
  Top w0.25: U4.45 70.95,43.95 71.7,44.7 R22.2
Net-(R25-Pad2): length 29.1
  Top w0.2: v1(74.9,23.5) 74.9,22.6 75.4,22.1 R25.2 76.02,21.02 R28.2
  Top w0.25: v1(71.3,43.4) 71.25,43.45 U4.44
  Bottom w0.2: v1(74.9,23.5) 76.5,25.1 76.5,26.7 74.05,29.15 74.05,43.15 73.7,43.5 71.4,43.5 v1(71.3,43.4)
Net-(R64-Pad2): length 2.9
  Top w0.15: 24.71,11.23 24,11.94 24,13.4
  Top w0.2: 24,13.4 R64.2
Net-(R65-Pad2): length 1.7
  Top w0.15: U1.80 33.86,5.47 33.9,5.47
  Bottom w0.3: 33.3,6.08 33.9,5.47
  vias: v1(33.9,5.5)
Net-(R66-Pad2): length 3.2
  Top w0.15: U1.61 26.92,3.55 26.92,3.45 26.52,3.05 v1(26.3,3.05)
  Bottom w0.15: R66.2 26.96,3.49 26.52,3.05 v1(26.3,3.05)
Net-(R67-Pad2): length 4.1
  Top w0.15: v1(26.5,2.35) 26.5,2.56 U1.62
  Bottom w0.15: 26.5,2.45 v1(26.5,2.35) 26.5,2.45 27.66,3.61 R67.2 ; 27.72,3.67 27.72,4.05
Net-(R68-Pad2): length 1.3
  Top w0.15: v1(31.5,3.35) 31.46,3.35 30.97,3.84
  Bottom w0.3: 31.08,3.77 v1(31.5,3.35)
Net-(R69-Pad2): length 1.3
  Top w0.25: D15.2 R69.2
Net-(R74-Pad2): length 3.4
  Top w0.2: 8.02,39.12 8.02,40.22 6.88,40.22 6.5,40.6 U13.6
Net-(R174-Pad2): length 54.6
  Top w0.15: v1(35.48,5.97) 35.43,5.91 34.55,5.91 U1.82
  Bottom w0.15: v1(35.48,5.97) 37.03,5.97 39.05,3.94 39.05,2.3 37.05,0.3 8.28,0.3 6.95,1.63 6.95,5.16 3.5,8.61 R174.2
Net-(R176-Pad2): length 3
  Top w0.2: U7.6 R177.1 R176.2
Net-(U2-Pad3): length 1.9
  Top w0.25: U2.3 8.05,2.36 8.02,2.4
Net-(U2-Pad7): length 2.6
  Top w0.15: 16.7,4.6 16.7,4 16.33,3.63 14.88,3.63
Net-(U4-Pad60): length 12.1
  Top w0.2: Y2.1 67.35,53.7 67.35,51.77 C47.2 67.61,51.28 R40.1 67.61,50.11 67.1,49.6 64.8,49.6 64.5,49.3 64.5,48.1 63.65,47.25 U4.60
Net-(U4-Pad61): length 9.6
  Top w0.2: Y2.3 66.58,52.47 C49.2 66.64,51.33 R40.2 66.34,50 64.6,50 64,49.4 64,48.19 63.15,47.34 U4.61
Net-(U4-Pad63): length 2.9
  Top w0.2: U4.63 62.15,46.75 61.8,47.1 60.9,47.1 60.7,47.3 R27.1
unconnected-(J9-PadS1): length 17
  Bottom w1: J9.S1 J9.S1 J9.S1 J9.S1

## Copper pours and planes (outline as drawn; the poured copper is in the pictures)
+1V1 on Top: 16.8,39.9 15.4,39.9 14.4,38.9 12.8,38.9 12.8,41.4 16.8,41.4
+1V1 on Top, In2.Cu: 20,13.5 18.9,12.4 17.4,13.9 18.5,15
+1V1_ANALOG on Top, In2.Cu: 21.67,15.33 20.2,13.9 19.3,14.8 20.23,15.67 21.33,15.67
+1V1_ANALOG on In2.Cu: 37.4,11.3 37.4,8.2 34.5,8.2 30.1,3.8 22.1,3.8 18.8,7.2 18.8,15 19.9,16.1 21,16.1 23,14.1 26.7,17.8 30.7,17.8
+3V3 on Top: 26.1,40.2 22.3,40.2 22.3,42.5 26.1,42.5
+3V3 on In2.Cu: 90.75,-3.65 -3.45,-3.65 -3.45,58.5 90.75,58.5
+5V on Top: 2.4,44.25 2.95,43.55 4.4,43.55 4.4,41.9 0.6,41.9 0.6,45.95 2.4,45.95
+5V on Bottom: 11.4,53.5 7.9,53.5 7.9,56.4 11.4,56.4
+5V on Bottom: 11.5,52.3 10,52.3 10,47.4 7.5,47.4 4.6,44.5 4.6,41.9 -1.1,41.9 -1.1,57.2 7.9,57.2 7.9,57 11.5,57
+5V on Bottom: 4.55,41.9 0.7,41.9 0.7,43.3 4.55,43.3
GND on Top, Bottom, In1.Cu: 88.9,-2.05 -1.75,-2.05 -1.75,57.45 88.9,57.45
ISENSE_SYS_N on Top: 10.85,43.15 7.5,43.15 6.7,42.4 6.35,42.4 6.35,43.2 6.95,43.75 7.5,44.25 10.85,44.25
ISENSE_SYS_N on Top: 26,45 25.7,44.7 25.7,44.2 25,44.2 25,44.4 24.7,44.7 24.7,47.1 26,47.1
ISENSE_SYS_N on Top: 15.4,44.85 16.1,44.15 16.5,44.15 16.5,43.65 15.7,43.65 14.85,44.55 13.7,44.55 13.7,46.85 15.4,46.85
ISENSE_SYS_N on Top, Bottom, In2.Cu: 62.8,27.4 61,27.4 61,29.8 62.8,29.8
ISENSE_SYS_N on Top, In2.Cu: 10.9,43.2 7.5,43.2 7.5,44.7 7.9,45.2 10.9,45.2
ISENSE_SYS_N on Bottom: 32.4,17.6 31.4,17.6 31.4,20.5 32.4,20.5
ISENSE_SYS_N on Bottom: 50.6,17.7 49.6,17.7 49.6,20.6 50.6,20.6
ISENSE_SYS_N on Bottom: 18.6,17.5 17.6,17.5 17.6,20.7 18.6,20.7
ISENSE_SYS_N on In2.Cu: 47.4,29.8 62.8,29.8 62.8,27.4 39.3,27.4 26.3,40.4 26.3,42.5 6.7,42.5 6.7,49.3 27.9,49.3
ISENSE_SYS_P on Top: 64.9,28.6 65,28.5 66,28.5 66,27.05 64.05,27.05 64.05,28.6
Net-(C7-Pad2) on Top: 24.8,43.9 25.7,43.9 25.7,43.7 22.3,43.7 22.3,45.2 23.6,45.2
Net-(C94-Pad2) on Top: 15.4,43.5 16.4,43.5 16.4,43.2 15.55,43.2 14.95,42.6 12.85,42.6 12.85,44.1 14.8,44.1
Net-(C95-Pad2) on Top: 7,44.3 6.15,43.3 6.15,42.4 5.85,42.4 5.85,43.1 4.45,44.15 4.45,48.05 7,48.05
Net-(IC1-Pad1) on Top: 67.85,27.5 67.95,27.6 67.95,28.5 68.95,28.5 68.95,27.6 69.5,27.1 69.5,26.45 67.55,26.45 67.55,27.5
Net-(IC1-Pad1) on Bottom: 78.4,48.3 74.7,48.3 73.87,49.05 73.87,51.33 78.4,51.33

## Text on the board
B.Silkscreen: Module1/ttyAMA0/0x49 | Module2/ttyAMA1/0x48 | Module3/ttyAMA3/0x4B | Module4/ttyAMA2/0x4A | Raspberry Pi 4 Compute Module Cluster / Cluster Motherboard V1.3 / Designed By Will Whang 2021/10/16
User.Drawings: USB | DISPLAY
F.Silkscreen: P4 | P3 | P2 | P1 | P0 | EN_SPIF | EN_EEE | DIS8051 | DISAUTO | SMI_SEL | EEPMODE | A1 | A2 | A3 | A4 | A5 | PG | OC
